# Altium PCB WhiteRHINO_0v1.PcbDoc (part 3 of 10)
Units mm, origin at the board's own origin, x right, y up, seen from the top; angles counter-clockwise.
Board outline 120.2 x 121.5 mm, 12 copper layers (L1_Top Layer, L2_GND, L3_Critical, L4_Critical, L5_GND, L6_Power, L7_Non-Critical, L8_Power, L9_Critical, L10_Critical, L11_GND, L12_Bottom Layer), stack 1.414 mm thick; 837 components, 556 nets, 3237 pads, 1790 vias.
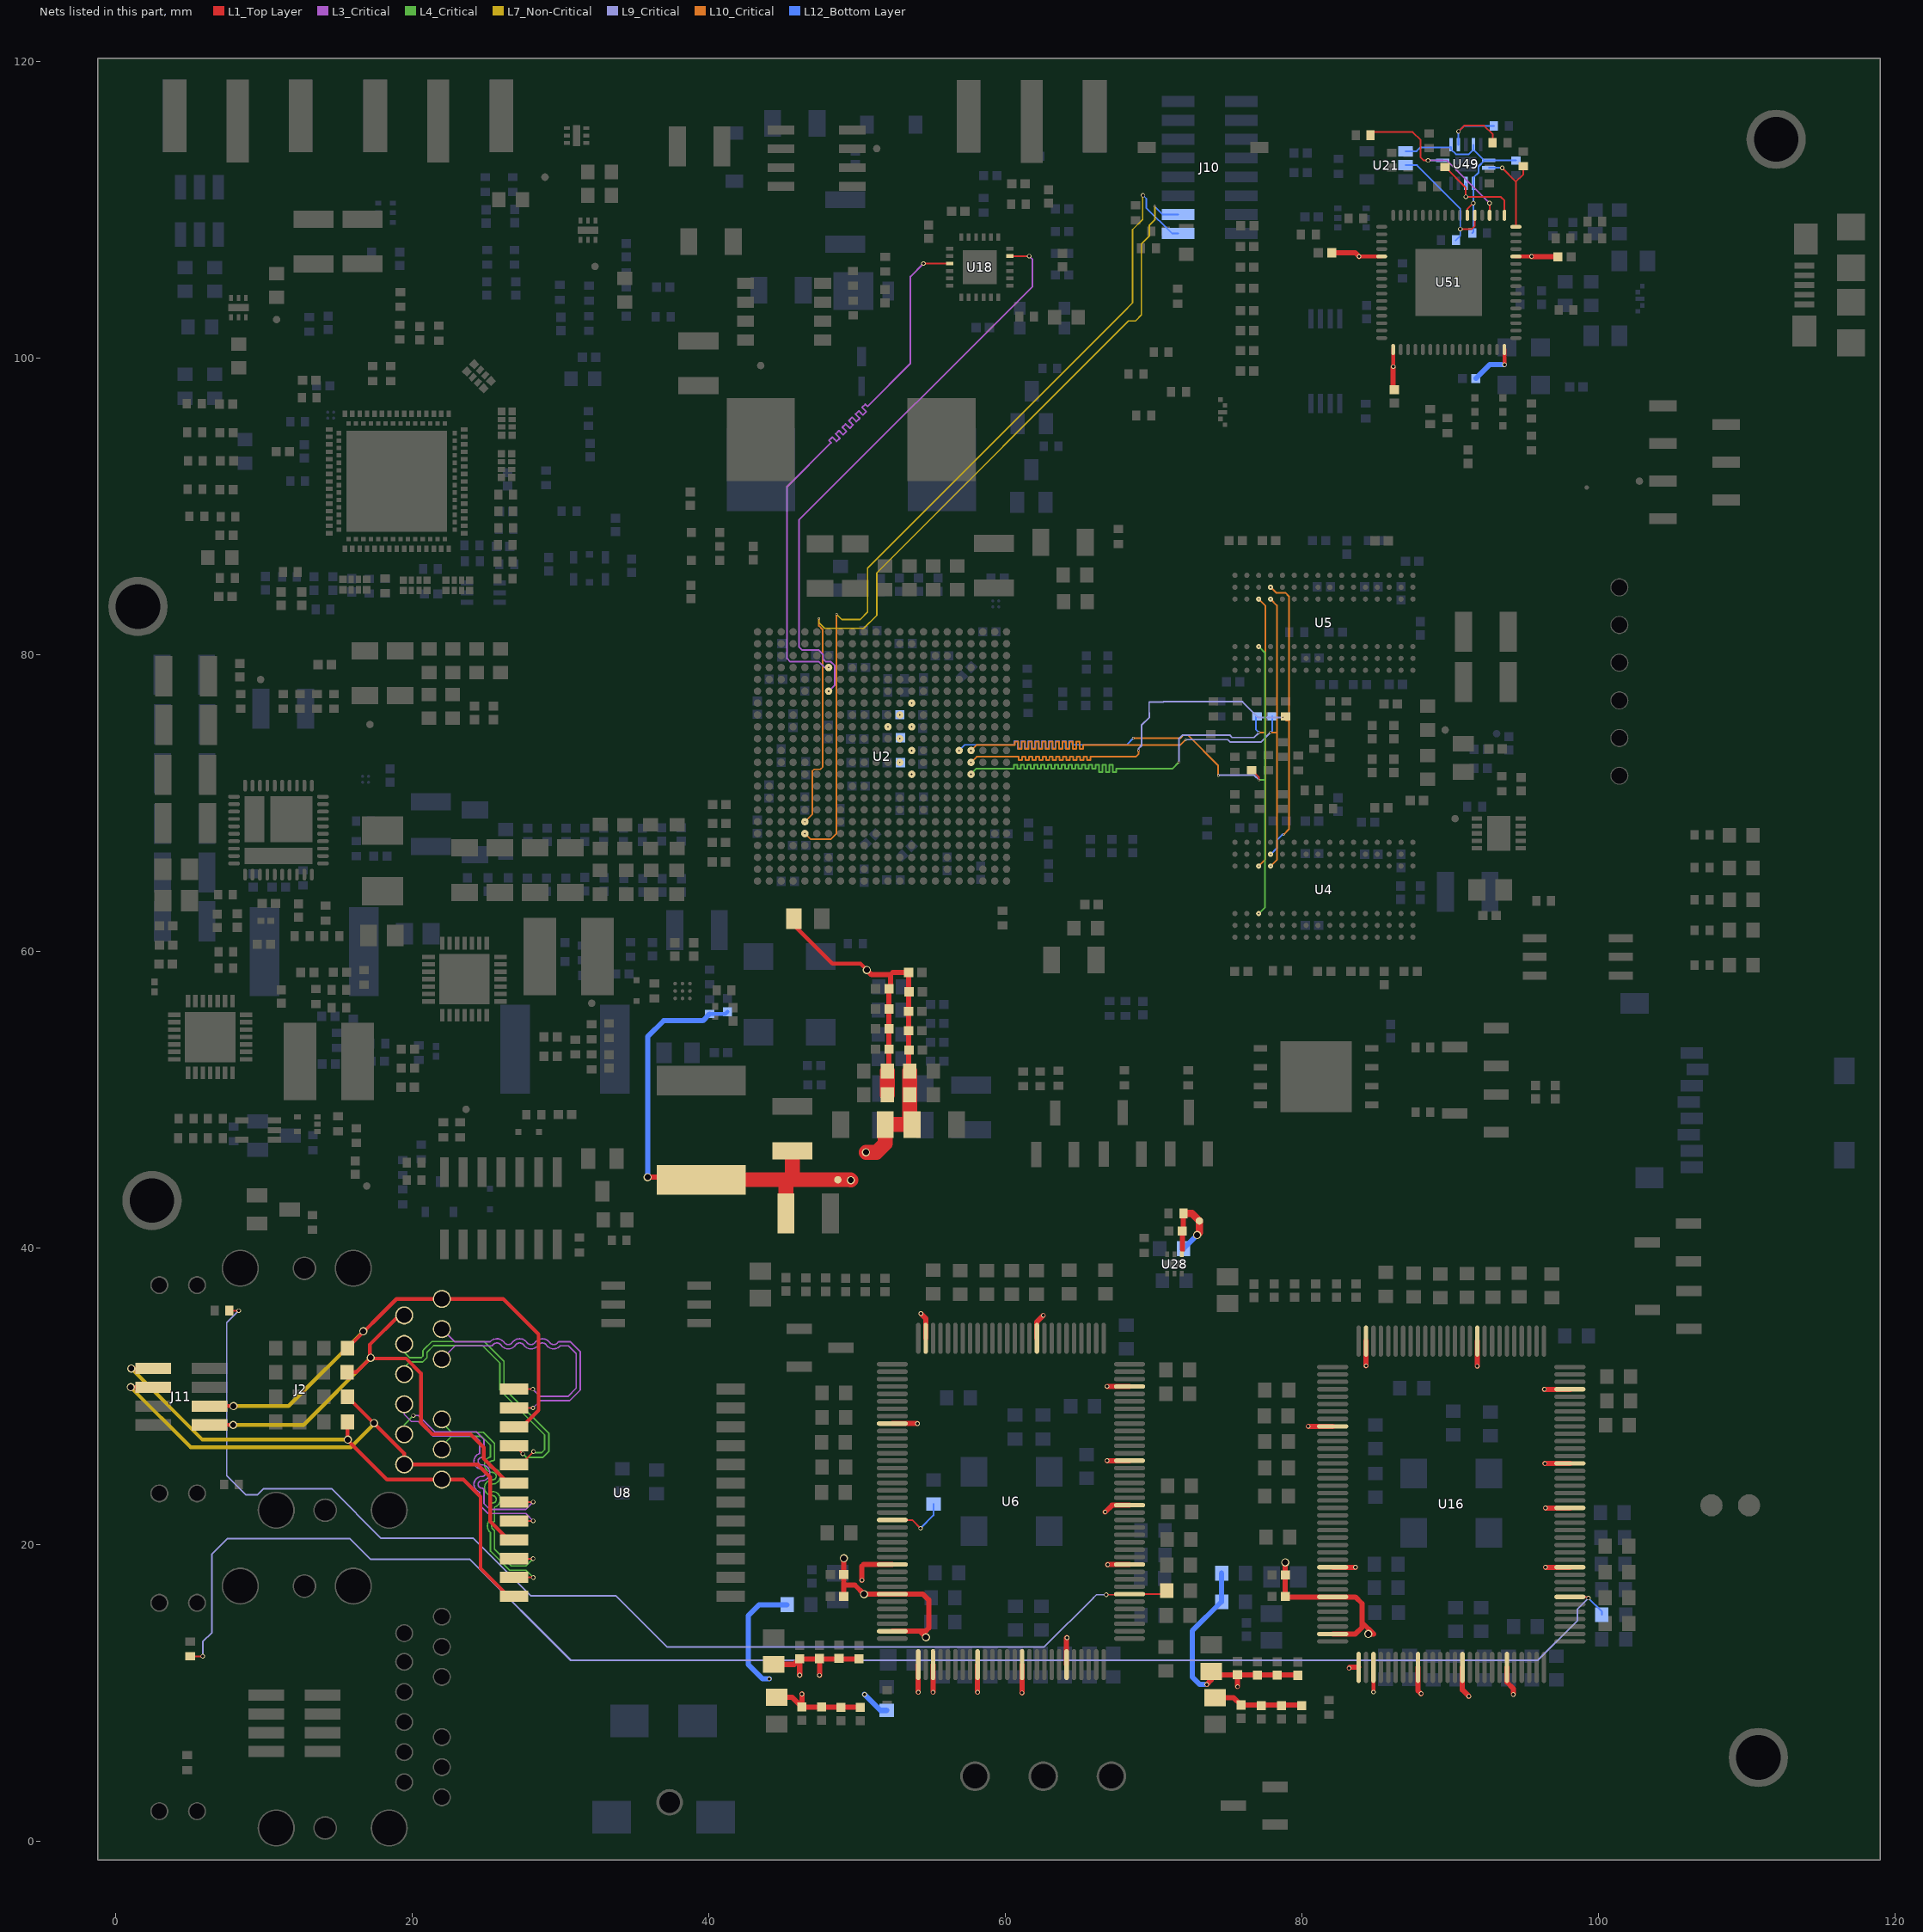
[diagram p13: the nets of this part, all layers, seen from the top]

## Footprints (in the part's own frame and the unit in brackets; to place one, negate y for a bottom-side part, rotate by r counter-clockwise, add the part's x,y. Pads: shape width x height; smd on the part's side, far side on the other; paste and mask are expansions set on the pad) (continued)
Temp_Sensor_TI_TMP103_XBGA-4 [mm]
  round 0.2 smd: A1(-0.2,0.2) A2(0.2,0.2) B1(-0.2,-0.2) B2(0.2,-0.2)
  silkscreen extent -0.64,0.54 -0.54,0.64, body extent -0.38,-0.38 0.38,0.38, height 0.63
ZenerDiode_BZX84-A3V0215_SOT23-3 [mm]
  rect 0.7x0.5 smd: 1(-1.025,0.95) 2(-1.025,-0.95) 3(1.025,0)
  silkscreen extent -1.15,-1.5 0.7,1.88, body extent -0.7,-1.5 0.7,1.5, height 1.1
ZYNQ_xc7z020clg484pkg_BGA-484 [mm]
  round 0.5 smd: A1(-8.4,8.4) A2(-7.6,8.4) A3(-6.8,8.4) A4(-6,8.4) A5(-5.2,8.4) A6(-4.4,8.4) A7(-3.6,8.4) A8(-2.8,8.4) A9(-2,8.4) A10(-1.2,8.4) A11(-0.4,8.4) A12(0.4,8.4) A13(1.2,8.4) A14(2,8.4) A15(2.8,8.4) A16(3.6,8.4) A17(4.4,8.4) A18(5.2,8.4) A19(6,8.4) A20(6.8,8.4) A21(7.6,8.4) A22(8.4,8.4) AA1(-8.4,-7.6) AA2(-7.6,-7.6) AA3(-6.8,-7.6) AA4(-6,-7.6) AA5(-5.2,-7.6) AA6(-4.4,-7.6) AA7(-3.6,-7.6) AA8(-2.8,-7.6) AA9(-2,-7.6) AA10(-1.2,-7.6) AA11(-0.4,-7.6) AA12(0.4,-7.6) AA13(1.2,-7.6) AA14(2,-7.6) AA15(2.8,-7.6) AA16(3.6,-7.6) AA17(4.4,-7.6) AA18(5.2,-7.6) AA19(6,-7.6) AA20(6.8,-7.6) AA21(7.6,-7.6) AA22(8.4,-7.6) AB1(-8.4,-8.4) AB2(-7.6,-8.4) AB3(-6.8,-8.4) AB4(-6,-8.4) AB5(-5.2,-8.4) AB6(-4.4,-8.4) AB7(-3.6,-8.4) AB8(-2.8,-8.4) AB9(-2,-8.4) AB10(-1.2,-8.4) AB11(-0.4,-8.4) AB12(0.4,-8.4) AB13(1.2,-8.4) AB14(2,-8.4) AB15(2.8,-8.4) AB16(3.6,-8.4) AB17(4.4,-8.4) AB18(5.2,-8.4) AB19(6,-8.4) AB20(6.8,-8.4) AB21(7.6,-8.4) AB22(8.4,-8.4) B1(-8.4,7.6) B2(-7.6,7.6) B3(-6.8,7.6) B4(-6,7.6) B5(-5.2,7.6) B6(-4.4,7.6) B7(-3.6,7.6) B8(-2.8,7.6) B9(-2,7.6) B10(-1.2,7.6) B11(-0.4,7.6) B12(0.4,7.6) B13(1.2,7.6) B14(2,7.6) B15(2.8,7.6) B16(3.6,7.6) B17(4.4,7.6) B18(5.2,7.6) B19(6,7.6) B20(6.8,7.6) B21(7.6,7.6) B22(8.4,7.6) C1(-8.4,6.8) C2(-7.6,6.8) C3(-6.8,6.8) C4(-6,6.8) C5(-5.2,6.8) C6(-4.4,6.8) C7(-3.6,6.8) C8(-2.8,6.8) C9(-2,6.8) C10(-1.2,6.8) C11(-0.4,6.8) C12(0.4,6.8) C13(1.2,6.8) C14(2,6.8) C15(2.8,6.8) C16(3.6,6.8) C17(4.4,6.8) C18(5.2,6.8) C19(6,6.8) C20(6.8,6.8) C21(7.6,6.8) C22(8.4,6.8) D1(-8.4,6) D2(-7.6,6) D3(-6.8,6) D4(-6,6) D5(-5.2,6) D6(-4.4,6) D7(-3.6,6) D8(-2.8,6) D9(-2,6) D10(-1.2,6) D11(-0.4,6) D12(0.4,6) D13(1.2,6) D14(2,6) D15(2.8,6) D16(3.6,6) D17(4.4,6) D18(5.2,6) D19(6,6) D20(6.8,6) D21(7.6,6) D22(8.4,6) E1(-8.4,5.2) E2(-7.6,5.2) E3(-6.8,5.2) E4(-6,5.2) E5(-5.2,5.2) E6(-4.4,5.2) E7(-3.6,5.2) E8(-2.8,5.2) E9(-2,5.2) E10(-1.2,5.2) E11(-0.4,5.2) E12(0.4,5.2) E13(1.2,5.2) E14(2,5.2) E15(2.8,5.2) E16(3.6,5.2) E17(4.4,5.2) E18(5.2,5.2) E19(6,5.2) E20(6.8,5.2) E21(7.6,5.2) E22(8.4,5.2) F1(-8.4,4.4) F2(-7.6,4.4) F3(-6.8,4.4) F4(-6,4.4) F5(-5.2,4.4) F6(-4.4,4.4) F7(-3.6,4.4) F8(-2.8,4.4) F9(-2,4.4) F10(-1.2,4.4) F11(-0.4,4.4) F12(0.4,4.4) F13(1.2,4.4) F14(2,4.4) F15(2.8,4.4) F16(3.6,4.4) F17(4.4,4.4) F18(5.2,4.4) F19(6,4.4) F20(6.8,4.4) F21(7.6,4.4) F22(8.4,4.4) G1(-8.4,3.6) G2(-7.6,3.6) G3(-6.8,3.6) G4(-6,3.6) G5(-5.2,3.6) G6(-4.4,3.6) G7(-3.6,3.6) G8(-2.8,3.6) G9(-2,3.6) G10(-1.2,3.6) G11(-0.4,3.6) G12(0.4,3.6) G13(1.2,3.6) G14(2,3.6) G15(2.8,3.6) G16(3.6,3.6) G17(4.4,3.6) G18(5.2,3.6) G19(6,3.6) G20(6.8,3.6) G21(7.6,3.6) G22(8.4,3.6) H1(-8.4,2.8) H2(-7.6,2.8) H3(-6.8,2.8) H4(-6,2.8) H5(-5.2,2.8) H6(-4.4,2.8) H7(-3.6,2.8) H8(-2.8,2.8) H9(-2,2.8) H10(-1.2,2.8) H11(-0.4,2.8) H12(0.4,2.8) H13(1.2,2.8) H14(2,2.8) H15(2.8,2.8) H16(3.6,2.8) H17(4.4,2.8) H18(5.2,2.8) H19(6,2.8) H20(6.8,2.8) H21(7.6,2.8) H22(8.4,2.8) J1(-8.4,2) J2(-7.6,2) J3(-6.8,2) J4(-6,2) J5(-5.2,2) J6(-4.4,2) J7(-3.6,2) J8(-2.8,2) J9(-2,2) J10(-1.2,2) J11(-0.4,2) J12(0.4,2) J13(1.2,2) J14(2,2) J15(2.8,2) J16(3.6,2) J17(4.4,2) J18(5.2,2) J19(6,2) J20(6.8,2) J21(7.6,2) J22(8.4,2) K1(-8.4,1.2) K2(-7.6,1.2) K3(-6.8,1.2) K4(-6,1.2) K5(-5.2,1.2) K6(-4.4,1.2) K7(-3.6,1.2) K8(-2.8,1.2) K9(-2,1.2) K10(-1.2,1.2) K11(-0.4,1.2) K12(0.4,1.2) K13(1.2,1.2) K14(2,1.2) K15(2.8,1.2) K16(3.6,1.2) K17(4.4,1.2) K18(5.2,1.2) K19(6,1.2) K20(6.8,1.2) K21(7.6,1.2) K22(8.4,1.2) L1(-8.4,0.4) L2(-7.6,0.4) L3(-6.8,0.4) L4(-6,0.4) L5(-5.2,0.4) L6(-4.4,0.4) L7(-3.6,0.4) L8(-2.8,0.4) L9(-2,0.4) L10(-1.2,0.4) L11(-0.4,0.4) L12(0.4,0.4) L13(1.2,0.4) L14(2,0.4) L15(2.8,0.4) L16(3.6,0.4) L17(4.4,0.4) L18(5.2,0.4) L19(6,0.4) L20(6.8,0.4) L21(7.6,0.4) L22(8.4,0.4) M1(-8.4,-0.4) M2(-7.6,-0.4) M3(-6.8,-0.4) M4(-6,-0.4) M5(-5.2,-0.4) M6(-4.4,-0.4) M7(-3.6,-0.4) M8(-2.8,-0.4) M9(-2,-0.4) M10(-1.2,-0.4) M11(-0.4,-0.4) M12(0.4,-0.4) M13(1.2,-0.4) M14(2,-0.4) M15(2.8,-0.4) M16(3.6,-0.4) M17(4.4,-0.4) M18(5.2,-0.4) M19(6,-0.4) M20(6.8,-0.4) M21(7.6,-0.4) M22(8.4,-0.4) N1(-8.4,-1.2) N2(-7.6,-1.2) N3(-6.8,-1.2) N4(-6,-1.2) N5(-5.2,-1.2) N6(-4.4,-1.2) N7(-3.6,-1.2) N8(-2.8,-1.2) N9(-2,-1.2) N10(-1.2,-1.2) N11(-0.4,-1.2) N12(0.4,-1.2) N13(1.2,-1.2) N14(2,-1.2) N15(2.8,-1.2) N16(3.6,-1.2) N17(4.4,-1.2) N18(5.2,-1.2) N19(6,-1.2) N20(6.8,-1.2) N21(7.6,-1.2) N22(8.4,-1.2) P1(-8.4,-2) P2(-7.6,-2) P3(-6.8,-2) P4(-6,-2) P5(-5.2,-2) P6(-4.4,-2) P7(-3.6,-2) P8(-2.8,-2) P9(-2,-2) P10(-1.2,-2) P11(-0.4,-2) P12(0.4,-2) P13(1.2,-2) P14(2,-2) P15(2.8,-2) P16(3.6,-2) P17(4.4,-2) P18(5.2,-2) P19(6,-2) P20(6.8,-2) P21(7.6,-2) P22(8.4,-2) R1(-8.4,-2.8) R2(-7.6,-2.8) R3(-6.8,-2.8) R4(-6,-2.8) R5(-5.2,-2.8) R6(-4.4,-2.8) R7(-3.6,-2.8) R8(-2.8,-2.8) R9(-2,-2.8) R10(-1.2,-2.8) R11(-0.4,-2.8) R12(0.4,-2.8) R13(1.2,-2.8) R14(2,-2.8) R15(2.8,-2.8) R16(3.6,-2.8) R17(4.4,-2.8) R18(5.2,-2.8) R19(6,-2.8) R20(6.8,-2.8) R21(7.6,-2.8) R22(8.4,-2.8) T1(-8.4,-3.6) T2(-7.6,-3.6) T3(-6.8,-3.6) T4(-6,-3.6) T5(-5.2,-3.6) T6(-4.4,-3.6) T7(-3.6,-3.6) T8(-2.8,-3.6) T9(-2,-3.6) T10(-1.2,-3.6) T11(-0.4,-3.6) T12(0.4,-3.6) T13(1.2,-3.6) T14(2,-3.6) T15(2.8,-3.6) T16(3.6,-3.6) T17(4.4,-3.6) T18(5.2,-3.6) T19(6,-3.6) T20(6.8,-3.6) T21(7.6,-3.6) T22(8.4,-3.6) U1(-8.4,-4.4) U2(-7.6,-4.4) U3(-6.8,-4.4) U4(-6,-4.4) U5(-5.2,-4.4) U6(-4.4,-4.4) U7(-3.6,-4.4) U8(-2.8,-4.4) U9(-2,-4.4) U10(-1.2,-4.4) U11(-0.4,-4.4) U12(0.4,-4.4) U13(1.2,-4.4) U14(2,-4.4) U15(2.8,-4.4) U16(3.6,-4.4) U17(4.4,-4.4) U18(5.2,-4.4) U19(6,-4.4) U20(6.8,-4.4) U21(7.6,-4.4) U22(8.4,-4.4) V1(-8.4,-5.2) V2(-7.6,-5.2) V3(-6.8,-5.2) V4(-6,-5.2) V5(-5.2,-5.2) V6(-4.4,-5.2) V7(-3.6,-5.2) V8(-2.8,-5.2) V9(-2,-5.2) V10(-1.2,-5.2) V11(-0.4,-5.2) V12(0.4,-5.2) V13(1.2,-5.2) V14(2,-5.2) V15(2.8,-5.2) V16(3.6,-5.2) V17(4.4,-5.2) V18(5.2,-5.2) V19(6,-5.2) V20(6.8,-5.2) V21(7.6,-5.2) V22(8.4,-5.2) W1(-8.4,-6) W2(-7.6,-6) W3(-6.8,-6) W4(-6,-6) W5(-5.2,-6) W6(-4.4,-6) W7(-3.6,-6) W8(-2.8,-6) W9(-2,-6) W10(-1.2,-6) W11(-0.4,-6) W12(0.4,-6) W13(1.2,-6) W14(2,-6) W15(2.8,-6) W16(3.6,-6) W17(4.4,-6) W18(5.2,-6) W19(6,-6) W20(6.8,-6) W21(7.6,-6) W22(8.4,-6) Y1(-8.4,-6.8) Y2(-7.6,-6.8) Y3(-6.8,-6.8) Y4(-6,-6.8) Y5(-5.2,-6.8) Y6(-4.4,-6.8) Y7(-3.6,-6.8) Y8(-2.8,-6.8) Y9(-2,-6.8) Y10(-1.2,-6.8) Y11(-0.4,-6.8) Y12(0.4,-6.8) Y13(1.2,-6.8) Y14(2,-6.8) Y15(2.8,-6.8) Y16(3.6,-6.8) Y17(4.4,-6.8) Y18(5.2,-6.8) Y19(6,-6.8) Y20(6.8,-6.8) Y21(7.6,-6.8) Y22(8.4,-6.8)
  silkscreen extent -10.28,-9.5 9.5,9.5, body extent -9.5,-9.5 9.5,9.5, height 1.6

## Part data
C1 C292: library part "\"C0402C104K8PAC\"", "C 100 nF 16 V 0402 X5R"
C2 C6: library part "\"MCCA000122\"", "C 470pF 50V X7R 10% 0402"
C3 C7: library part "\"MCCA000039\"", "C 470pF 50V X7R 10% 0402"
C4 C8: library part "\"MCCA000132\"", "C 470pF 50V X7R 10% 0402"
C5: library part "\"MC0402N100F500CT\"", "C 10pF 1% 50V NP0 0402"
C9 C16 C17 C18 C40 C41 C42 C52 C53 C54 C60 C61 C62 C63 C78 C79 C88 C89 C90 C100 C101 C111 C112 C143 C144 C145 C146 C147 C151 C152 C153 C194 C197: "4.7uF, ceramic, 10% 6.3V X5R Low ESR, 0603"
C10 C15 C39 C55 C56 C59 C64 C80 C87 C102 C113 C140 C141 C142 C154: "CAP CER 100UF 6.3V 20% X5R 1206"
C11 C25 C26 C27 C35 C36 C37 C38 C49 C50 C51 C71 C72 C73 C74 C81 C82 C97 C98 C99 C103 C104 C109 C110 C114 C115 C129 C130 C131 C132 C133 C156 C158 C159 C160 C161 C253 C254 C255 C256 C257 C259 C260 C279 C280 C281 C282 C283 C285 C286 C454 C456 C466 C467: "10000pF, ceramic, 10% 6.3V X5R, 0402"
C12 C13 C20 C21 C22 C23 C24 C28 C29 C30 C31 C32 C33 C34 C44 C45 C46 C47 C48 C66 C67 C68 C69 C70 C75 C76 C83 C84 C85 C92 C93 C94 C95 C96 C105 C106 C107 C116 C117 C118 C122 C123 C124 C125 C126 C127 C128 C134 C135 C136 C137 C138 C139 C162 C163 C164 C165 C166 C167 C168 C169 C170 C171 C172 C173 C174 C175 C176 C177 C178 C179 C180 C181 C182 C183 C184 C185 C186 C187 C188 C189 C190 C191 C192 C193: "0.047uF, ceramic, 10% 6.3V X5R, 0402"
C14 C19 C43 C57 C58 C65 C77 C86 C91 C108 C119 C148 C155 C195 C196 C198 C199: "0.47uF, ceramic, 10% 6.3V X5R, 0402"
C120 C121 C149 C150 C455: "0.1uF, ceramic, 10%, 25V, X5R, 0402"
C157 C321 C322 C323 C336 C337 C338 C354 C368 C403 C404 C405 C406 C407 C408 C409 C410 C412 C413 C414 C416 C417 C418 C422 C429 C431 C436: library part C1005X5R0J104K, "0.1uf, ceramic, 10%, 6.3V, X5R, 0402"
C200 C262: library part C0603C103K9RACTU, "CAP CER 10000PF 6.3V X7R 0603"
C201 C263: library part 6R3X14W104MV4T, "CAP CER 0.1UF 6.3V 20% X7R 0603"
C202 C203 C204 C205 C264 C265: library part C0603C104K5RACTU, "CAP CER 0.1UF 50V 10% X7R 0603"
C206 C207 C208 C209: library part C0603C103K5RACTU, "CAP CER 10000PF 50V 10% X7R 0603"
C240 C247 C252 C266 C273 C278 C365: library part ECJ-2FB0J106M, "10uF, ceramic, 20%, 6.3V, X5R 0805"
C241 C242 C243 C244 C245 C246 C248 C249 C250 C251 C267 C268 C269 C270 C271 C272 C274 C275 C276 C277 C457 C458 C459 C460 C461 C462 C463 C464 C465 C468 C471 C472 C473 C474 C475 C476 C479 C480 C483 C484: "0.1uf, ceramic, 10%, 6.3V, X5R, 0402"
C258 C261 C284 C287 C319 C320 C340 C341: library part JMK212BJ226MG-T, "22uF, ceramic, 20%, 6.3V, X5R, 0805"
C288 C290 C291 C293 C294 C300: library part "\"2238 787 15636\"", "C 10 nF 16 V 0402 X7R"
C289: library part TMK105SD102JV-F, "CAP CER 1000PF 25V 5% 0402"
C295: library part C0402C829J3GACAUTO, "CAP CER 8.2PF 25V 5% NP0 0402"
C296 C298: library part "\"GRM1555C1H220JZ01D\"", "C 22 pF 50 V 0402 NP0"
C297: library part GJM1555C1H1R5CB01D, "CAP CER 1.5PF 50V NP0 0402"
C299: library part VJ0603D221KXAAJ, "CAP CER 220PF 50V 10% NP0 0603"
C301 C302 C303 C304: library part GRM32ER71A476KE15L, "47uF, ceramic, 10% 10V X7R, 1210"
C305 C318: library part 04026D224KAT2A, "0.22uF, ceramic, 10%, 6.3V X5R, 0402"
C306 C317 C363 C426 C428: library part C1005X5R0J105K, "1uF, ceramic, 10%, 6.3V, X5R, 0402"
C307 C308 C309 C310: library part C1210C226M3RACTU, "22uF, ceramic, 20% 25V X7R, 1210"
C311: library part TMK105BJ104KV-F, "0.1uF, ceramic, 10%, 25V, X5R, 0402"
C312: library part 0402YC223JAT2A, "0.022uF, ceramic, 5% 16V X7R, 0402"
C313: library part 0402ZC331KAT2A, "330pF, ceramic, 10% 10V X7R, 0402"
C314: library part "No Load_15pF", "Generic Capacitor"
C315: library part C0402C153K9PACTU, "0.015uF, ceramic, 10% 6.3V X5R, 0402"
C316: library part C1005C0G1H151F, "150pF, ceramic, 1% 50V NP0, 0402"
C324 C339 C380 C384: library part TLCT107M010XTA, "100uF, tantalum, 20% 10V, 1210"
C325 C330 C342 C347: library part C0402C751J3GACTU, "750pF, ceramic, 5% 25V NP0, 0402"
C326 C327 C334 C335 C343 C344 C351 C352: library part GRM32ER61A476KE20L, "47uF, ceramic 10% 10V, X5R, 1210"
C328 C332 C345 C349: library part ECJ-0EB1E471K, "470pF, ceramic, 5%, 25V, X7R, 0402"
C329 C333 C346 C350: library part VJ0402A100JXACW1BC, "10pF, ceramic, 5%, 50V, NP0, 0402"
C331 C348: library part "No Load_0", "Generic Capacitor"
C353 C355 C356: library part TAJB226K006RNJ, "22uF, tantalum, 10% 6.3V, 1210"
C357: library part 04026C101KAT2A, "100pF, ceramic, 10% 6.3V X7R, 0402"
C358 C359 C366 C369: library part ECJ-0EB1E102K, "1000pF, ceramic, 10% 25V X7R, 0402"
C360: library part 0402YC223KAT2A, "0.022uF, ceramic, 10%, 16V, X7R, 0402"
C361: library part "No Load", "Generic Capacitor"
C362: library part LMK105SD332JV-F, "3300pF, ceramic 5% 10V, 0402"
C364: library part GRM32ER60J107ME20L, "100uF, ceramic, 20% 6.3V X5R, 1210"
C367: library part C1005X5R1C334K, "0.33uF, ceramic, 10% 16V X5R, 0402"
C370: library part LMK105BJ224KV-F, "0.22uF, ceramic, 10% 10V X5R, 0402"
C371 C372 C386 C387 C388 C389 C390 C391 C477 C478 C481 C482: library part LMK107BJ475KA-T, "4.7uF, ceramic, 10%, 10V X5R, 0603"
C373 C427 C430 C432 C485 C486 C487: library part GRM155R60J103KA01D, "10000pF, ceramic, 10% 6.3V X5R, 0402"
C378 C382: library part T491A104M035AT, "CAP TANT 0.1UF 35V 20% 1206"
C379: library part T491A475M025AT, "CAP TANT 4.7UF 25V 20% 1206"
C381 C385: library part C1005SL1A222J, "CAP CER 2200PF 10V 5% SL 0402"
C383: library part F951C476KBAAQ2, "CAP TANT 47UF 16V 10% 1210"
C397 C399: library part ATC520L-103KT16T, "CAP 10nF, 16V, 10%, EIA 0402"
C411 C420 C421 C423 C424 C425: library part "\"MCCA000506\"", "C 1 uF 10V 0402 X5R"
C415 C419: library part "\"MCCA000517\"", "C 10 uF 6.3 V 0603 X5R"
C437 C438 C442 C443: library part VJ0603D101JXCAJ, "CAP CER 100PF 200V 5% NP0 0603"
C441: library part C0402C508D3GACTU, "CAP CER 0.5PF 25V NP0 0402"
C469: "1uF, ceramic, 10%, 6.3V, X5R, 0402"
C470: library part C1005X5R0J335M050BC, "CAP CER 3.3UF 6.3V 20% X5R 0402"
D1 D29: library part RF2197-000, "SESD0802Q4UG, Quad Diode Array for ESD protection"
D19 D20 D21: library part RB751S40, "RB751S40, 40V 30mA schottky, SOD523F"
D22: library part BZX84-A3V0,215, "BZX84-A3V0, VReg 250mW 3V, SOT23"
D25: library part DB2J31700L, "DIODE 30V 1A SMINI2"
D26: library part SS2P2-M3/84A, "DIODE SCHOTTKY 2A 20V SMP"
D27: library part MBR0520-TP, "DIODE SCHOTTKY 20V 500MA SOD123"
D28: library part MBR130T1G, "DIODE SCHOTTKY 30V 1A SOD123"
FB1 FB2 FB27 FB28: library part FerriteBead0805, "MPZ2012S601A, 600 ohm, 100MHz, 0805"
FB7 FB8 FB9 FB10 FB11 FB12 FB13 FB14 FB15 FB16 FB17 FB18 FB19 FB20 FB21 FB22 FB23 FB24: library part "\"MMZ1005S601C\"", "Ferrite 300mA 600ohm 0402"
fid1 fid2 fid3 fid4: library part Mounting_Holes
J1: library part GRPB071VWTC-RC, "CONN HEADER .050\" 7POS SMD GOLD"
J2 J3: library part L834-1G1T-S7, "RJ-45, Belfuse, Gigabit Magnetic Jack"
J4: library part PJ-028-SMT, "CONN PWR JACK 0.8X3.35MM SMT"
J5: library part "\"693071010811\"", "CONN MICRO SD 8 POS SMD"
J6: library part ZX62-B-5PA(11), "CONN RCPT MICRO USB B SMD R/A"
J7 J8 J13: library part 132255, "CONN RCPT SMA END LAUNCH PCB"
J9: library part PPTC061LGBN-RC, "CONN FEMALE 6POS .100\" R/A TIN"
J10: library part M50-3600842, "CONN HDR 1.27MM SMD AU 16POS"
J11 J14: library part 20021221-00008T4LF, "CONN HEADER 8POS DUAL SHRD SMD"
J12: library part 800-10-002-40-002000, "CONN HEADER 2POS .100\" HORIZ SMD"
L3: library part 0402AF-330, "INDUCTOR, 33nH, 0402, DCR 0.06,"
L4: library part 0402CS-10N, "INDUCTOR, 10nH, 0402, DCR 0.2,"
L5: library part IHLP2020CZER1R5M01, "IHLP2020CZER1R5M01, 1.5uH 7.2A, SMD"
L6 L8 L10: library part SRN6045-1R0Y, "SRN6045-1R0Y, 1uH 4.2A-8.5A, CDRH6D38"
L7 L9: library part NRS5020T1R0NMGJ, "NRS5020T1R0NMGJ, 1uH 3.6A, 5020"
L12: library part IHSM4825ER2R0L, "Surface Mount Inductor,22uH,1.7A"
L13: library part IHSM4825ER3R3L, "INDUCTOR POWER 3.3UH 4.6A SMD"
L14 L15: library part "\"0402CS-36NX_L\"", "Inductor 36 nH 0402 5%"
L17: library part 0603LS-72NXGLB, "INDUCTOR, 72nF, 2%, 1.4A, 0603"
L18: library part 0603LS-151XGLB, "INDUCTOR, 150nF, 2%, 1.4A, 0603"
LD1: "LED 565NM GRN DIFF 0603 SMD"
LD2 LD3 LD4 LD5 LD6 LD7: library part "\"HSMG-C190\"", "LED 570NM GREEN DIFF 0603 SMD"
P1 P2 P3 P4 P5 P6 P7 P8 P9: "CONN HEADER .050\" 3POS SMD GOLD"
R1: library part "\"MC 0.0625W 0402 1% 12K\"", "R 12 kOhm 1 % 63 mW 0402"
R2: library part "\"232270676802\"", "R 6800 Ohm 1 % 63 mW 0402"
R3: library part RC0402JR-07390RL, "390 ohm, 5%, 1/16W, 0402"
R4 R7 R8 R9 R10 R11 R12 R26: library part ERJ-2RKF22R0X, "RES 22.0 OHM 1/10W 1% 0402 SMD"
R5 R6: library part ERJ-2RKF1002X, "RES 10.0K OHM 1/10W 1% 0402 SMD"
R13 R14 R15 R16 R17 R18: library part YC124-JR-0722RL, "RES ARRAY 22 OHM 4 RES 0804"
R19 R27: library part "\"CRCW04021K20FKEAHP\"", "R 1k2 Ohm 1% 63mV 0402"
R20 R28: library part ERJ-2RKF8200X, "RES 820 OHM 1/10W 1% 0402 SMD"
R21 R22 R23 R24 R25: library part ERJ-2RKF47R0X, "RES 47.0 OHM 1/10W 1% 0402 SMD"
R29 R302 R303 R304 R306 R307 R308: "10K ohm, 5%, 1/16W, 0402"
R30: "270 ohm, 5%, 1/16W, 0402"
R31: "0.0 ohm shunt, 5%, 1/16W, 0402"
R32 R34 R65: "4.7K ohm, 5%, 1/16W, 0402"
R33 R36 R37: "100 ohm, 5%, 1/16W, 0402"
R35: "50 ohm, 5% 50mW, 0402"
R38 R39: "240 ohm, 1% 1/16W, 0402"
R40 R41 R42 R43 R44 R45 R46 R47 R48 R49 R50 R51 R52 R53 R54 R55 R56 R57 R58 R59 R60 R61 R62 R64: "40.2 ohm, 1% 1/16W, 0402"
R63: "80.6 ohm, 1% 1/16W, 0402"
R66 R67 R68 R69 R72 R75 R78 R79 R80 R81 R82 R83 R84 R85 R86 R87 R88 R89 R90 R91 R94 R145 R146 R147 R148 R151 R154 R157 R158 R159 R160 R161 R162 R163 R164 R165 R166 R167 R168 R169 R170 R173: library part ERJ-3EKF2001V, "RES 2.00K OHM 1/10W 1% 0603 SMD"
R70 R71 R73 R74 R76 R77 R92 R93 R95 R96 R97 R98 R100 R149 R150 R152 R153 R155 R156 R171 R172 R174 R175 R176 R177 R179: library part ERJ-3EKF33R0V, "RES 33.0 OHM 1/10W 1% 0603 SMD"
R99 R178 R235: library part CRCW04029K76FKED, "9.76K ohm, 1% 1/16W, 0402"
R101 R102 R103 R104 R105 R106 R107 R108 R180 R181 R182 R183 R184 R185 R186 R187: library part ERJ-3EKF49R9V, "RES 49.9 OHM 1/10W 1% 0603 SMD"
R109 R110 R111 R112: library part ERJ-3GEYJ750V, "RES 75 OHM 1/10W 5% 0603 SMD"
R113 R114 R115 R116 R117 R118 R119 R120 R121 R236: library part ERJ-2RKF54R9X, "RES 54.9 OHM 1/10W 1% 0402 SMD"
R143 R188: library part ERJ-3EKF18R2V, "RES 18.2 OHM 1/10W 1% 0603 SMD"
R144 R189: library part ERJ-3EKF10R0V, "RES 10.0 OHM 1/10W 1% 0603 SMD"
R190 R230 R233: library part RK73H1ETTP3302F, "33K ohms, 1% 1/16W, 0402"
R191: library part RC0402FR-07470RL, "470 ohm, 1% 1/16W, 0402"
R192: library part RC0402JR-0710RL, "10 ohm, 5%, 1/16W, 0402"
R193: library part MCR01MZPF1000, "100 ohm, 1%, 1/16W, 0402"
R194 R249 R250 R314: library part ERJ-2RKF6650X, "RES 665 OHM 1/10W 1% 0402 SMD"
R195 R201: library part ERJ-2RKF1823X, "182K ohm, 1%, 1/16W, 0402"
R196 R200: library part ERJ-2RKF9101X, "9.1K ohm, 1% 1/10W, 0402"
R197: library part ERJ-2RKF4531X, "4.53K ohm, 1%, 1/16W, 0402"
R198: library part RC0402FR-074K7L, "4.7K ohm, 1%, 1/16W, 0402"
R199 R229 R248 R294 R301: library part RC0402JR-0710KL, "10K ohm, 5%, 1/16W, 0402"
R202 R208 R211 R217: library part RC0402JR-07150RL, "150 ohm, 5% 1/16W, 0402"
R203 R206 R212 R215 R225 R226: library part ERA-2AEB103X, "10K ohm, 0.1% 1/16W, 0402"
R204 R210 R216: library part ERA-2AEB222X, "2.2K ohm, 0.1% 1/16W, 0402"
R205 R207 R214: library part MCR01MZPF1802, "18K ohm, 1% 1/16W, 0402"
R209 R218: library part CRCW040216K0JNED, "16K ohm, 5% 1/16W, 0402"
R213: library part 2-1879215-2, "6.65K ohm, 0.1% 1/16W, 0402"
R219: library part ERA-2AEB153X, "15K ohm, 0.1% 1/16W, 0402"
R220: library part ERJ-2GEJ203X, "20K ohm, 5%, 1/16W, 0402"
R221: library part MCR10EZHFL1R00, "1 ohm, 1% 1/4W, 0805"
R222: library part 2-1879215-9, "8.06K ohm, 0.1% 1/16W, 0402"
R223 R312 R313: library part ERJ-2RKF2321X, "2.32K ohm, 1% 1/16W, 0402"
R224: library part RG1005P-4021-B-T5, "4.02K ohm, 0.1% 1/16W, 0402"